# Altium PCB eBox_relay.PcbDoc
Units mm, origin at the board's own origin, x right, y up, seen from the top; angles counter-clockwise.
Board outline 75 x 89 mm, 2 copper layers (Top Layer, Bottom Layer), stack 1.58 mm thick; 37 components, 20 nets, 113 pads, 29 vias.
Unrouted connection lines stored in the file: 2.
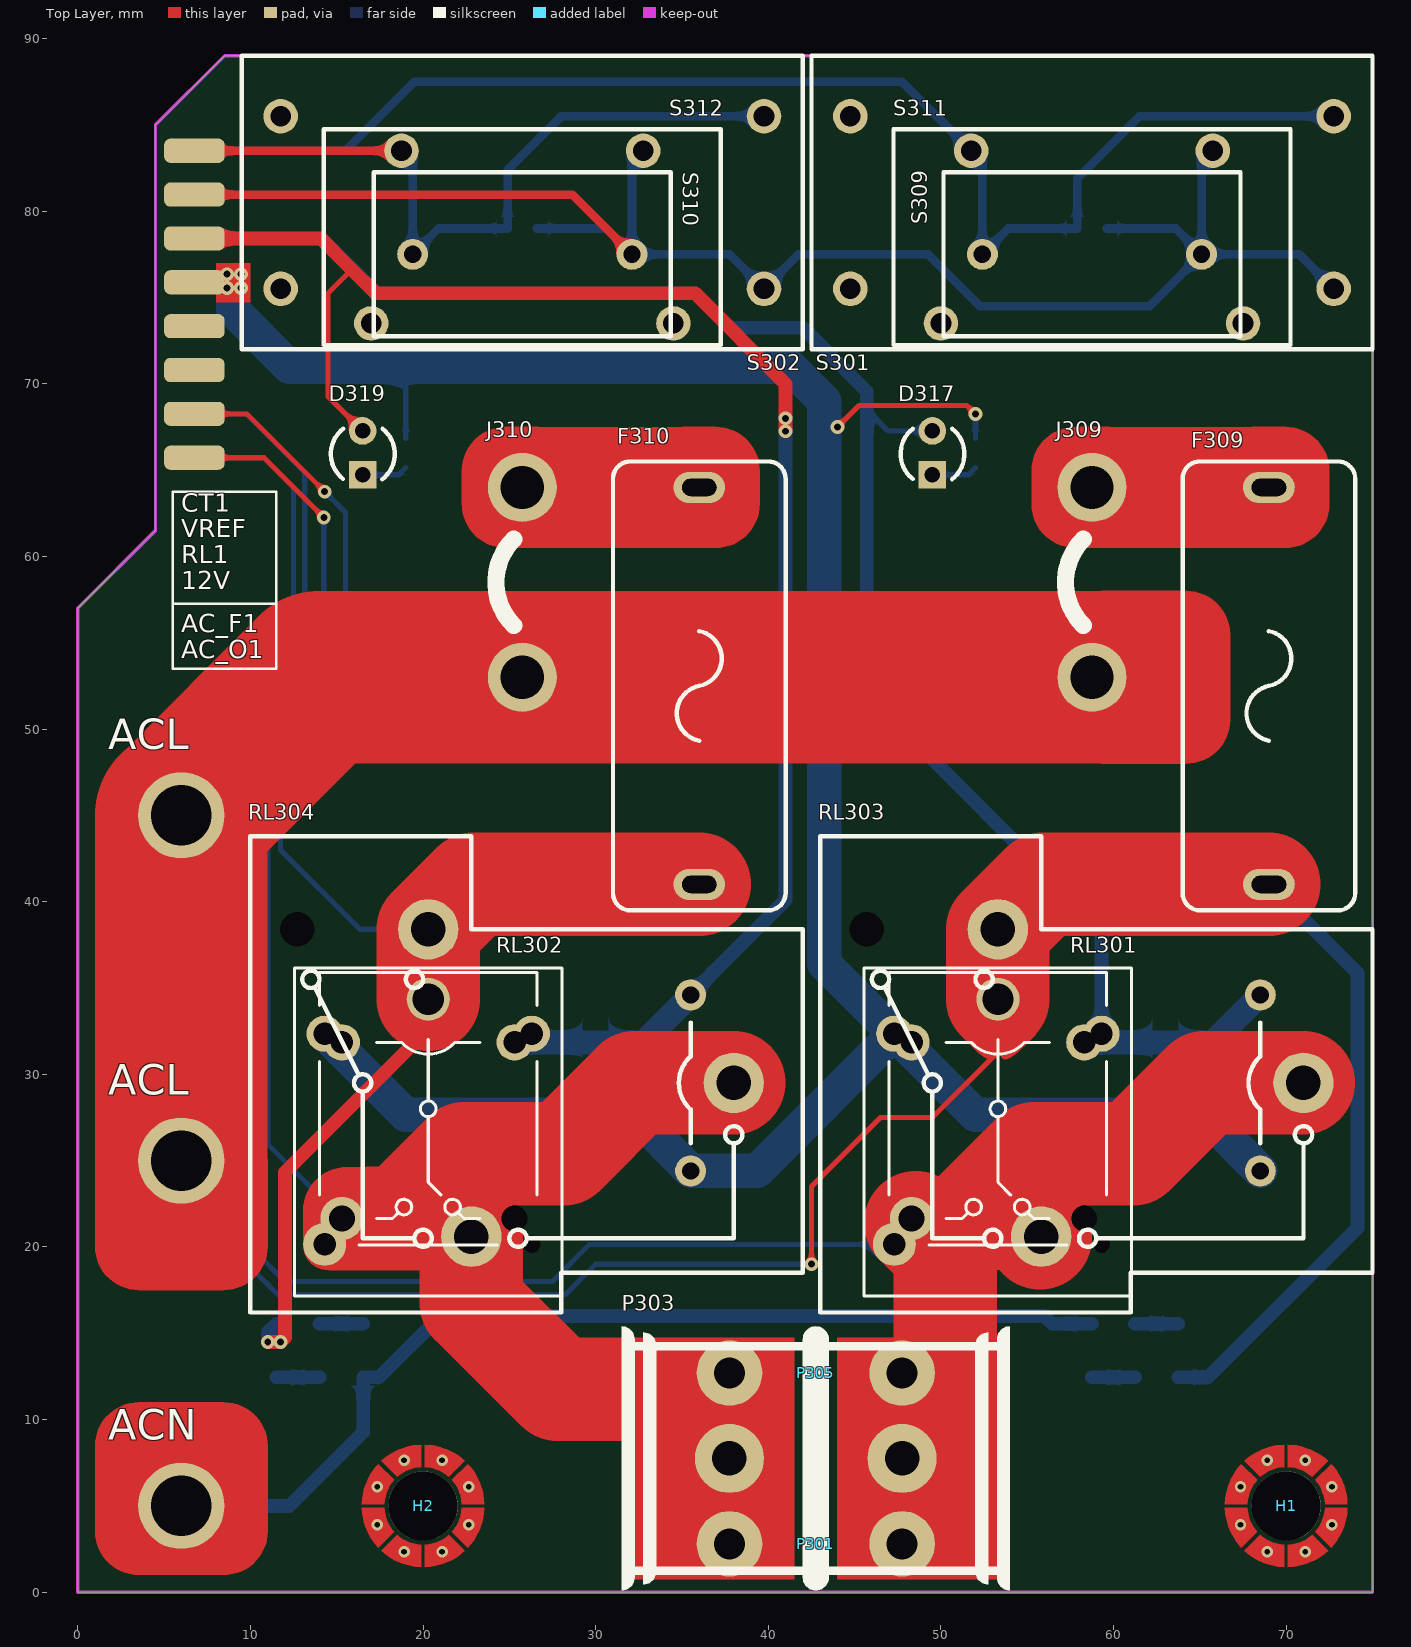
[diagram p0: Top Layer view]
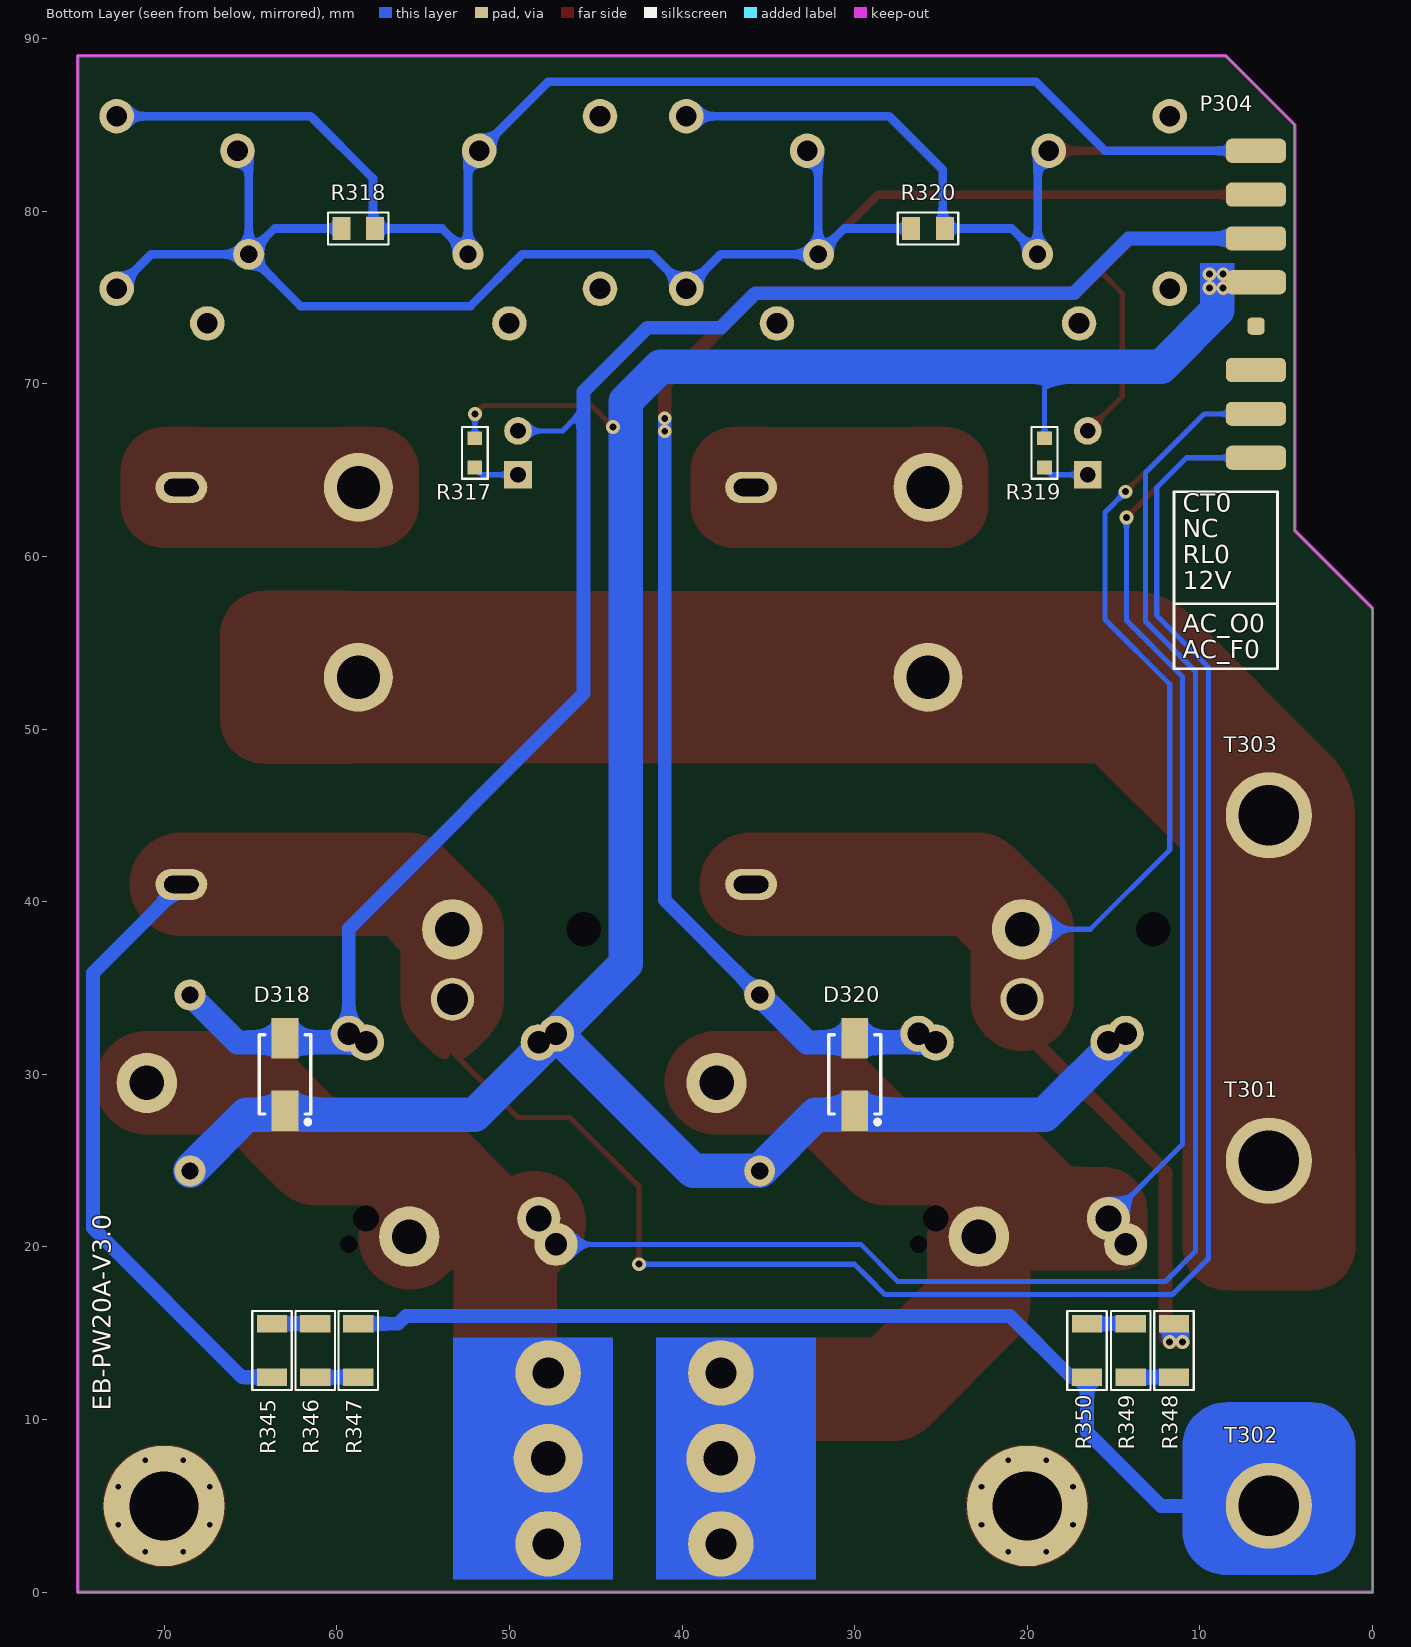
[diagram p1: Bottom Layer view, seen from below]

## Layer stack, top to bottom
Top Solder: solder mask 0.0102, Solder Resist, Dk 3.5
Top Layer: signal copper 0.0356
Dielectric 1: dielectric 1.5086, FR-4, Dk 4.8
Bottom Layer: signal copper 0.0356
Bottom Solder: solder mask 0.0102, Solder Resist, Dk 3.5

## Board outline
0,0 0,57 4.5,61.5 4.5,85 8.5,89 75,89 75,0

## Design rules (kind name [scope] priority, off if disabled: settings)
Clearance Clearance_3 [InComponent('H*')] p1: gap=0 ignorepadtopadclearanceinfootprint=FALSE
Clearance Clearance_2 [InNet('ACL*') OR InNet('ACN*')] p2: gap=0.35 ignorepadtopadclearanceinfootprint=FALSE except(0: Arc-Hole Track-Hole SMDPad-Hole THPad-Hole Via-Hole Fill-Hole Poly-Hole Region-Hole Text-Hole)
Clearance Clearance_1 [InPolygon] p3: gap=0.5 ignorepadtopadclearanceinfootprint=FALSE except(0: Arc-Hole Track-Hole SMDPad-Hole THPad-Hole Via-Hole Fill-Hole Poly-Hole Region-Hole Text-Hole)
Clearance [All] p4: gap=0.3 ignorepadtopadclearanceinfootprint=FALSE except(0: Arc-Hole Track-Hole SMDPad-Hole THPad-Hole Via-Hole Fill-Hole Poly-Hole Region-Hole Text-Hole)
ComponentClearance ComponentClearance_1 [InComponent('P301') OR InComponent('P305') OR InComponent('S309') OR InComponent('S310') OR InComponent('H*') OR InComponent('S312') OR InComponent('S311') OR InComponent('P302') OR InComponent('RL301') OR InComponent('RL302')] p1: gap=0 collisioncheckmode=3 verticalgap=0 showdistances=FALSE
ComponentClearance [All] p2: gap=0.254 collisioncheckmode=3 verticalgap=0.254 showdistances=FALSE
Height [All] p1: minheight=0 maxheight=100 prefheight=12.7
PolygonConnect PolygonConnect_1 [IsVia] p1: connectstyle=Direct reliefconductorwidth=0.254 reliefentries=4 polygonreliefangle="90 Angle" airgapwidth=0.254
PolygonConnect PolygonConnect_2 [InNet('GND')] p2: connectstyle=Relief reliefconductorwidth=0.3 reliefentries=4 polygonreliefangle="90 Angle" airgapwidth=0.3
PolygonConnect [All] p3: connectstyle=Relief reliefconductorwidth=0.381 reliefentries=4 polygonreliefangle="90 Angle" airgapwidth=0.635
RoutingVias [All] p1: holewidth=0.4 width=0.8 viastyle="Through Hole" minholewidth=0.3 minwidth=0.6 maxholewidth=2 maxwidth=5
SolderMaskExpansion [All] p1: expansion=0.102 istentingtop=FALSE
Width [All] p1: maxlimit=50 minlimit=0.2 preferedwidth=0.3
28 further rules are at their usual default settings.

## Components (designator, comment, footprint, x,y, rotation, side; value= is the part's Value field where it differs from the comment)
D317 "Led" "LED 3MM - green" 49.5,66 r90 top
D318 "SS14" "DO-214AC (SMA) L" 63,30 r270 bottom
D319 "Led" "LED 3MM - green" 16.5,66 r90 top
D320 "SS14" "DO-214AC (SMA) L" 30,30 r270 bottom
F309 "Fuse" "FUSE 2 DIP 0520 BOX" 69,52.5 r90 top
F310 "Fuse" "FUSE 2 DIP 0520 BOX" 36,52.5 r90 top
H1 "Screw Hole" SCREW/3.2/7.0/M 70,5 r0 top
H2 "Screw Hole" SCREW/3.2/7.0/M 20,5 r0 top
J309 "JUMP 2 CUSTOM" JUMP/2/Custom 58.75,57 r270 top
J310 "JUMP 2 CUSTOM" JUMP/2/Custom 25.75,57 r270 top
P301 "Header 2" HDR/TERMINAL/2/KF1000 42.75,7.75 r180 top
P303 "Header 2" HDR/Terminal/2/KF55C-10 42.75,7.75 r180 top
P304 "Header 8X2" HDR/HEADER/16/DL/EDGE 6.75,74.61 r270 bottom locked
P305 "Header 2" HDR/Terminal/2/KF1000 42.75,7.75 r0 top
R317 "4.7K" "R 0603" 52,66 r270 bottom
R318 "100R" "R 0805" 58.75,79 r0 bottom
R319 "4.7K" "R 0603" 19,66 r270 bottom
R320 "100R" "R 0805" 25.75,79 r0 bottom
R345 "100K" "R 1206" 63.75,14 r90 bottom
R346 "100K" "R 1206" 61.25,14 r270 bottom
R347 "100K" "R 1206" 58.75,14 r90 bottom
R348 "100K" "R 1206" 11.5,14 r270 bottom
R349 "100K" "R 1206" 14,14 r90 bottom
R350 "100K" "R 1206" 16.536,14 r270 bottom
RL301 "Relay SPDT" RL_SPDT_MIX 53.3,28 r270 top
RL302 "Relay SPDT" RL_SPDT_MIX 20.3,28 r270 top
RL303 "SLA-xxVDC-SL-C" RL_SPDT_30A 75,29.5 r90 top locked
RL304 "SLA-xxVDC-SL-C" RL_SPDT_30A 42,29.5 r90 top locked
S301 "TA20-100" TA20-100 58.75,80.5 r0 top
S302 "TA20-100" TA20-100 25.75,80.5 r0 top locked
S309 "TA12-200" TA12 58.75,77.5 r180 top
S310 "NA" TA12 25.75,77.5 r180 top
S311 "TA17" TA17 58.75,78.5 r180 top
S312 "TA17" TA17 25.75,78.5 r180 top locked
T301 "R1.25-3.5S" R1.25-3.5S 6,25 r180 bottom
T302 "R1.25-3.5S" R1.25-3.5S 6,5 r180 bottom
T303 "R1.25-3.5S" R1.25-3.5S 6,45 r180 bottom

## Footprints (in the part's own frame and the unit in brackets; to place one, negate y for a bottom-side part, rotate by r counter-clockwise, add the part's x,y. Pads: shape width x height; smd on the part's side, far side on the other; paste and mask are expansions set on the pad)
"DO-214AC (SMA) L" [mm] "Molded Diode, 2-Leads, Body 4.3x2.7mm, IPC Medium Density"
  rect 2.35x1.55 smd: 1(-2.1,0) 2(2.1,0)
  silkscreen extent -2.3,-1.5 2.89,1.5, body extent -2.6,-1.3 2.6,1.3, height 2.4
"FUSE 2 DIP 0520 BOX" [mm] "5mm x 20mm"
  oval 1.8x3 hole 1 slot 2 at 90 deg: 1(-11.5,0) 2(11.5,0)
  silkscreen extent -13,-5 13,5, body extent -12.15,-4.8 12.15,4.8, height 10.75
HDR/HEADER/16/DL/EDGE [mm]
  rrect50% 1.4x3.5 smd: 1(-8.89,0) 3(-6.35,0) 5(-3.81,0) 7(-1.27,0) 11(3.81,0) 13(6.35,0) 15(8.89,0)
  rrect50% 1.4x3.5 smd far side: 2(-8.89,0) 4(-6.35,0) 6(-3.81,0) 8(-1.27,0) 10(1.27,0) 12(3.81,0) 14(6.35,0) 16(8.89,0)
  rrect50% 1x1 smd: 9(1.27,0)
  body extent -10.16,-0.13 10.16,10.79, height 1.57
HDR/Terminal/2/KF55C-10 [mm]
  round 4 hole 2: 1(-5,0) 2(5,0)
  silkscreen extent -11.25,-7.65 11.25,7.65, body extent -11,-7.75 11,7.75, height 18.14
HDR/TERMINAL/2/KF1000 [mm]
  round 3.8 hole 1.8: 1(-5,4.95) 2(5,4.95)
  silkscreen extent -10,-7.3 10,7.3, body extent -10,-7.25 10.5,7.25, height 14.56
HDR/Terminal/2/KF1000 [mm]
  round 3.8 hole 1.8: 1(-5,4.95) 2(5,4.95)
  silkscreen extent -10,-7.3 10,7.3, body extent -10,-7.25 10.5,7.25, height 14.56
JUMP/2/Custom [mm]
  round 4 hole 2.5: 1(-7,0) 2(4,0)
  silkscreen extent -4,-1.53 1,-0.5
"LED 3MM - green" [mm]
  rect 1.6x1.6 hole 0.9: 1(-1.27,0)
  round 1.6 hole 0.9: 2(1.27,0)
  silkscreen extent -1.52,-1.86 1.4,1.84, body extent -1.66,-1.65 1.64,1.64, height 5.26
R1.25-3.5S [mm]
  round 5 hole 3.5: 1(0,0)
  body extent -1.7,-2.85 1.7,2.85, height 7.4
"R 0603" [mm] "Chip Resistor, 2-Leads, Body 1.6x0.8mm, IPC Medium Density"
  rect 0.8x0.85 smd: 1(-0.85,0) 2(0.85,0)
  silkscreen extent -1.5,-0.75 1.5,0.75, body extent -0.8,-0.4 0.8,0.4, height 0.5
"R 0805" [mm] "Chip Resistor, 2-Leads, Body 2.0x1.3mm, IPC Medium Density"
  rect 1.05x1.35 smd: 1(-0.975,0) 2(0.975,0)
  silkscreen extent -1.75,-0.92 1.75,0.92, body extent -1,-0.61 1,0.59, height 0.5
"R 1206" [mm] "Chip Resistor, 2-Leads, Body 3.1x1.6mm, IPC Medium Density"
  rect 1x1.75 smd: 1(-1.55,0) 2(1.55,0)
  silkscreen extent -2.29,-1.14 2.29,1.14, body extent -1.6,-0.8 1.6,0.8, height 0.6
RL_SPDT_30A [mm] "Relay SPDT, 5 pin, 10A,W 650mil, L 800mil, H 800mil"
  round 1.8 hole 1: 1(5.1,6.5) 5(-5.1,6.5)
  round 3.5 hole 2: 2(8.9,21.7) 4(-8.9,19.2) 6(0,4)
  round 0 hole 2 unplated: 3(8.9,29.3)
  silkscreen extent -13.3,0 14.3,32, body extent -13.5,0 13.5,32, height 20.06
RL_SPDT_MIX [mm]
  round 2.5 hole 1.8: 1(-6.35,0)
  round 2.5 hole 1.5: 2(6.35,-5)
  round 2.5 hole 1.3: 2(7.85,-6)
  round 0 hole 1.5 unplated: 3(6.35,5)
  round 0 hole 1 unplated: 3(7.85,6)
  round 2.1 hole 1.3: 4(-4.35,-6) 4(-3.85,-5) 5(-4.35,6) 5(-3.85,5)
  silkscreen extent -8.15,-7.75 10.85,7.75, body extent -8.15,-7.75 10.85,7.75, height 15.4
SCREW/3.2/7.0/M [mm]
  round 4 / inner round 7 / far side round 7 hole 4: 1(0,0)
  Top Layer pour cut-out: -4,0 -3.696,1.531 -2.828,2.828 -1.531,3.695 0,4 0,4 1.531,3.695 2.828,2.828 3.695,1.531 4,0 4,0 3.696,-1.531 2.828,-2.828 1.531,-3.696 0,-4 0,-4 -1.531,-3.696 -2.828,-2.828 -3.696,-1.531 -4,0
  Top Layer region: -2.25,0.1 -2.225,0.325 -2.175,0.575 -2.1,0.8 -2.025,0.975 -1.95,1.125 -1.875,1.25 -1.775,1.375 -1.675,1.5 -2.6,2.425 -2.775,2.225 -2.925,2.025 -3.05,1.825 -3.175,1.6 -3.275,1.375 -3.35,1.175 -3.425,0.95 -3.475,0.725 -3.5,0.6 -3.525,0.45 -3.55,0.1
  Top Layer region: -2.25,-0.1 -2.225,-0.325 -2.175,-0.575 -2.1,-0.8 -2.025,-0.975 -1.95,-1.125 -1.875,-1.25 -1.775,-1.375 -1.675,-1.5 -2.6,-2.425 -2.775,-2.225 -2.925,-2.025 -3.05,-1.825 -3.175,-1.6 -3.275,-1.375 -3.35,-1.175 -3.425,-0.95 -3.475,-0.725 -3.5,-0.6 -3.525,-0.45 -3.55,-0.1
  Top Layer region: -0.1,2.25 -0.325,2.225 -0.575,2.175 -0.8,2.1 -0.975,2.025 -1.125,1.95 -1.25,1.875 -1.375,1.775 -1.5,1.675 -2.425,2.6 -2.225,2.775 -2.025,2.925 -1.825,3.05 -1.6,3.175 -1.375,3.275 -1.175,3.35 -0.95,3.425 -0.725,3.475 -0.6,3.5 -0.45,3.525 -0.1,3.55
  Top Layer region: 0.1,2.25 0.325,2.225 0.575,2.175 0.8,2.1 0.975,2.025 1.125,1.95 1.25,1.875 1.375,1.775 1.5,1.675 2.425,2.6 2.225,2.775 2.025,2.925 1.825,3.05 1.6,3.175 1.375,3.275 1.175,3.35 0.95,3.425 0.725,3.475 0.6,3.5 0.45,3.525 0.1,3.55
  Top Layer region: 2.25,-0.1 2.225,-0.325 2.175,-0.575 2.1,-0.8 2.025,-0.975 1.95,-1.125 1.875,-1.25 1.775,-1.375 1.675,-1.5 2.6,-2.425 2.775,-2.225 2.925,-2.025 3.05,-1.825 3.175,-1.6 3.275,-1.375 3.35,-1.175 3.425,-0.95 3.475,-0.725 3.5,-0.6 3.525,-0.45 3.55,-0.1
  Top Layer region: 2.25,0.1 2.225,0.325 2.175,0.575 2.1,0.8 2.025,0.975 1.95,1.125 1.875,1.25 1.775,1.375 1.675,1.5 2.6,2.425 2.775,2.225 2.925,2.025 3.05,1.825 3.175,1.6 3.275,1.375 3.35,1.175 3.425,0.95 3.475,0.725 3.5,0.6 3.525,0.45 3.55,0.1
  Top Layer region: 0.1,-2.25 0.325,-2.225 0.575,-2.175 0.8,-2.1 0.975,-2.025 1.125,-1.95 1.25,-1.875 1.375,-1.775 1.5,-1.675 2.425,-2.6 2.225,-2.775 2.025,-2.925 1.825,-3.05 1.6,-3.175 1.375,-3.275 1.175,-3.35 0.95,-3.425 0.725,-3.475 0.6,-3.5 0.45,-3.525 0.1,-3.55
  Top Layer region: -0.1,-2.25 -0.325,-2.225 -0.575,-2.175 -0.8,-2.1 -0.975,-2.025 -1.125,-1.95 -1.25,-1.875 -1.375,-1.775 -1.5,-1.675 -2.425,-2.6 -2.225,-2.775 -2.025,-2.925 -1.825,-3.05 -1.6,-3.175 -1.375,-3.275 -1.175,-3.35 -0.95,-3.425 -0.725,-3.475 -0.6,-3.5 -0.45,-3.525 -0.1,-3.55
  Bottom Layer pour cut-out: -4,0 -3.696,1.531 -2.828,2.828 -1.531,3.695 0,4 0,4 1.531,3.695 2.828,2.828 3.695,1.531 4,0 4,0 3.696,-1.531 2.828,-2.828 1.531,-3.696 0,-4 0,-4 -1.531,-3.696 -2.828,-2.828 -3.696,-1.531 -4,0
TA12 [mm]
  round 1.8 hole 1: 1(-6.35,0) 2(6.35,0)
  silkscreen extent -8.6,-4.75 8.6,4.75, body extent -8.6,-4.75 8.6,4.75, height 20.4
TA17 [mm]
  round 2 hole 1.2: 1(-7,-5) 2(7,-5) 3(8.75,5) 4(-8.75,5)
  silkscreen extent -11.5,-6.25 11.5,6.25, body extent -11.5,-6.25 11.5,6.25, height 26
TA20-100 [mm]
  round 2 hole 1.2: 1(-14,5) 2(-14,-5) 3(14,-5) 4(14,5)
  silkscreen extent -16.25,-8.5 16.25,8.5, body extent -16.25,-8.5 16.25,8.5, height 32.5

## Part data
D317 D319: "LED GREEN DIFFUSED 3MM ROUND T/H", PACKAGE=SMD0805, STOCK CODE=HT17-2102SURC, STOCK DESC="SMD-0805 High Bright Red Chip LED", SUPPLIER=tme.vn, TYPE=SMD, UNIT PRICE=800
D318 D320: library part Diode, "DIODE SCHOTTKY 40V 1A SMA", PACKAGE=DO-214AC, BRAND=Toshiba, PART NO=SS14, STOCK CODE=SS14, STOCK DESC="1A 40V Schottky Barrier Diode", SUPPLIER=tme.vn, TYPE=SMD, UNIT PRICE=1000
P301 P303 P305: "Header, 2-Pin"
P304: "Header, 8-Pin, Dual row"
R317 R319: library part Resistor, "RES SMD 4.7K OHM 1% 1/10W 0805", PACKAGE=SMD0805, STOCK CODE=RM10JTN472, STOCK DESC="4.7K 5% SMD-0805 Resistor", SUPPLIER=tme.vn, TYPE=SMD, UNIT PRICE=60
R318 R320: library part Resistor, "RES SMD 100 OHM 1% 1/10W 0805", PACKAGE=SMD0805, STOCK CODE=RM10JTN681, STOCK DESC="680R 5% SMD-0805 Resistor", SUPPLIER=tme.vn, TYPE=SMD, UNIT PRICE=60
R345 R346 R347 R348 R349 R350: library part Resistor, "RES SMD 10K OHM 5% 1/4W 1206", PACKAGE=SMD1206, STOCK DESC="RES SMD 10K OHM 5% 1/4W 1206", SUPPLIER=banlinhkien.com, TYPE=SMD, UNIT PRICE=240
RL303 RL304: library part "Relay SPDT_SLA"
S309: library part TA12, "CURR SENSE 1:2000 5A T/H", BRAND=YHDC, PART NO=TA12-200, SUPPLIER=CHINA, TYPE=TH, UNIT PRICE=22328
S310: library part TA12, "CURR SENSE 1:2000 5A T/H", PART NO=TA12-200, BRAND=YHDC, SUPPLIER=CHINA, TYPE=TH, UNIT PRICE=22328
F309 F310: UNIT PRICE=0
H1 H2 J309 J310: TYPE=NO-BOM, UNIT PRICE=0

## Via types
v1: diameter 0.66, hole 0.33, Top Layer to Bottom Layer, tented both sides, 16 vias
v2: diameter 0.8, hole 0.4, Top Layer to Bottom Layer, tented both sides, 13 vias

## Nets (pads, with @x,y where several pads share a name; then routed paths per layer and width w, separated by ;. In a path a pad name is that pad's centre, name@x,y a point inside that pad or via, vN(x,y) a via of type N, cw(c..) or ccw(c..) an arc to the next point about the centre after c; other vN are vias at no path point)
12V: D318.2 D320.2 P304.7 P304.8 R317.1 R319.1 RL301.4 RL302.4 RL303.5 RL304.5 | length 155.4
  Top Layer w0.3: v2(44,67.5) 45.25,68.75 51.5,68.75 v2(52,68.25)
  Bottom Layer w0.3: 17.75,71 19,69.75 R319.1 ; R317.1 v2(52,68.25)
  Bottom Layer w2: 9,76 9,74.25 12.25,71 17.75,71 41.25,71 43.25,69 43.25,36.4 RL301.4@47.3,32.35 ; RL302.4@14.3,32.35 19,27.65 32.25,27.65 RL304.5 39.35,24.4 RL301.4@47.3,32.35 ; RL303.5 65.25,27.65 52,27.65 RL301.4@47.3,32.35
  other v2: 8.65,75.55 9.45,75.55 8.65,76.35 9.45,76.35
ACL: J309.2 J310.2 T301.1 T303.1 | length 76.1
  Top Layer w10: T301.1 T303.1 14,53 J310.2 J309.2
ACL_F0: F309.1 P304.15 R345.1 RL301.1 RL303.2 | length 165.4
  Top Layer w0.3: v2(42.5,19) 42.5,23.5 46.5,27.5 49.5,27.5 53.3,31.3 RL301.1
  Top Layer w6: RL301.1 RL303.2 55.9,41 F309.1
  Bottom Layer w0.3: P304.15 10.78,65.72 12.5,64 12.5,56.581 9.5,53.581 9.5,19.331 11.581,17.25 28.25,17.25 29.25,18.25 30,19 v2(42.5,19)
  Bottom Layer w0.8: R345.1 65.481,12.45 74.122,21.092 74.122,35.878 F309.1
ACL_F1: F310.1 P304.14 R348.1 RL302.1 RL304.2 | length 90.1
  Top Layer w0.3: P304.14 9.79,68.26 v2(14.3,63.75)
  Top Layer w0.8: v2(11,14.5) v2(11.75,14.5) 12,14.75 12,24.325 20.3,32.625 RL302.1
  Top Layer w6: RL302.1 RL304.2 22.9,41 F310.1
  Bottom Layer w0.3: v2(14.3,63.75) 15.5,62.55 15.5,56.35 11.75,52.6 11.75,43 16.35,38.4 RL304.2
  Bottom Layer w0.8: v2(11,14.5) 11,15.05 R348.1 11.75,15.3 v2(11.75,14.5)
ACL_OUT0: P301.1 P303.1 P304.13 P305.2 RL301.2 RL301.3 RL303.4 RL303.6 | length 131.9
  Top Layer w6: RL301.2@48.55,21.4 50.25,19.7 ; 50.25,12.7 50.25,19.7 ; RL303.4@55.737,20.537 54.623,21.65 51.65,21.65 ; RL303.6 65.25,29.5 61.15,25.4 55.4,25.4 51.65,21.65 ; 50.25,19.7 50.25,20.25 51.65,21.65
  Bottom Layer w0.3: P304.13 9.74,68.26 13.15,64.85 13.15,56.231 10.25,53.331 10.25,19.75 12,18 27.5,18 29.65,20.15 RL301.2@47.3,20.15
ACL_OUT1: P301.2 P303.2 P304.16 P305.1 RL302.2 RL302.3 RL304.4 RL304.6 | length 107.1
  Top Layer w0.3: P304.16 10.78,65.72 v2(14.25,62.25)
  Top Layer w6: 17,21.65 21.623,21.65 RL304.4@22.737,20.537 ; 18.65,21.65 22.4,25.4 28.15,25.4 32.25,29.5 ; RL304.4 22.8,16.75 27.8,11.75 P305.1@36.8,11.75 ; 32.25,29.5 RL304.6 32.25,29.5
  Bottom Layer w0.3: v2(14.25,62.25) 14.25,56.28 11,53.03 11,25.95 RL302.2@15.3,21.65
ACN: R347.2 R350.2 T302.1 | length 59.3
  Bottom Layer w0.8: T302.1 12.25,5 16.536,9.286 R350.2 17.45,12.45 21,16 56,16 56.45,15.55 R347.2
CT0: P304.1 R318.1 S301.4 S309.2 S311.2 | length 79.9
  Bottom Layer w0.5: P304.1 15.5,83.5 19.5,87.5 47.75,87.5 S311.2 52.4,82.85 S309.2 53.9,79 57.9,79 57.9,81.9 61.5,85.5 S301.4
CT1: P304.2 R320.1 S302.4 S310.2 S312.2 | length 43.9
  Top Layer w0.5: P304.2 S312.2
  Bottom Layer w0.5: S312.2 19.4,82.85 S310.2 20.9,79 24.9,79 24.9,82.4 28,85.5 S302.4
NetD317_1: D317.1 R317.2 | length 2.7
  Bottom Layer w0.3: D317.1 51.58,64.73 R317.2
NetD319_1: D319.1 R319.2 | length 2.7
  Bottom Layer w0.3: D319.1 18.58,64.73 R319.2
NetF309_2: F309.2 J309.1 | length 10.2
  Top Layer w7: J309.1 F309.2
NetF310_2: F310.2 J310.1 | length 10.2
  Top Layer w7: J310.1 F310.2
NetR345_2: R345.2 R346.1 | length 2.5
  Bottom Layer w0.8: R346.1 R345.2
NetR346_2: R346.2 R347.1 | length 2.5
  Bottom Layer w0.8: R347.1 R346.2
NetR348_2: R348.2 R349.1 | length 2.5
  Bottom Layer w0.8: R348.2 R349.1
NetR349_2: R349.2 R350.1 | length 2.5
  Bottom Layer w0.8: R349.2 R350.1
RL0: D317.2 D318.1 P304.5 RL301.5 RL303.1 | length 101.1
  Bottom Layer w0.3: 45.7,68.5 46.93,67.27 D317.2
  Bottom Layer w0.8: P304.5 14.13,78.42 17.3,75.25 35.75,75.25 37.75,73.25 42,73.25 45.7,69.55 45.7,68.5 45.7,52.05 59.3,38.45 RL301.5@59.3,32.35
  Bottom Layer w1.4: RL301.5@58.3,31.85 65.75,31.85 RL303.1
RL1: D319.2 D320.1 P304.6 RL302.5 RL304.1 | length 99.1
  Top Layer w0.3: 15.75,76.75 15.75,76.5 14.5,75.25 14.5,69.27 D319.2
  Top Layer w0.8: P304.6 14.08,78.42 15.75,76.75 17.25,75.25 35.75,75.25 41,70 v2(41,68) v2(41,67.25)
  Bottom Layer w0.8: RL304.1 41,40.1 v2(41,68) v2(41,67.25)
  Bottom Layer w1.4: RL302.5@25.3,31.85 32.75,31.85 RL304.1
V_REF: P304.4 R318.2 R320.2 S301.3 S302.3 S309.1 S310.1 S311.1 S312.1 | length 97.2
  Top Layer w0.5: P304.4 28.64,80.96 S310.1
  Bottom Layer w0.5: R320.2@26.6,79 30.6,79 S310.1 ; S312.1 32.1,82.85 S310.1 ; R318.2@59.6,79 63.6,79 S309.1 ; S311.1 65.1,82.85 S309.1 ; S301.3 70.75,77.5 S309.1 ; S310.1 37.75,77.5 S302.3 41.75,77.5 49.25,77.5 52.25,74.5 62.1,74.5 S309.1
pads on no net: H1.1 H2.1 P304.3 P304.9 P304.10 P304.11 P304.12 RL303.3 RL304.3 S301.1 S301.2 S302.1 S302.2 S311.3 S311.4 S312.3 S312.4
copper on no net:
  other v1: 18.9,2.35 21.1,2.35 68.9,2.35 71.1,2.35 17.35,3.9 22.65,3.9 67.35,3.9 72.65,3.9 17.35,6.1 22.65,6.1 67.35,6.1 72.65,6.1 18.9,7.65 21.1,7.65 68.9,7.65 71.1,7.65

## Keep-outs
Keep-Out Layer:
  the board outline again, w0.2

## Other copper
Top Layer:
  rectangle net 12V: 8,74.7 10,77
  region net ACL_OUT1: 13.05,20.125 13.05,22.085 cw(c15.59,22.085) 15.59,24.625 19.51,24.625 cw(c19.51,22.085) 22.05,22.085 22.05,20.125 cw(c20.575,20.125) 20.575,18.65 14.525,18.65 cw(c14.525,20.125)
  region net NetF310_2: 22.25,64.96 cw(c24.79,64.96) 24.79,67.5 26.71,67.5 cw(c26.71,64.96) 29.25,64.96 29.25,63.04 cw(c26.71,63.04) 26.71,60.5 24.79,60.5 cw(c24.79,63.04) 22.25,63.04
  region net NetF310_2: 32.5,64.96 cw(c35.04,64.96) 35.04,67.5 36.96,67.5 cw(c36.96,64.96) 39.5,64.96 39.5,63.04 cw(c36.96,63.04) 36.96,60.5 35.04,60.5 cw(c35.04,63.04) 32.5,63.04
  region net NetF309_2: 65.5,64.96 cw(c68.04,64.96) 68.04,67.5 69.96,67.5 cw(c69.96,64.96) 72.5,64.96 72.5,63.04 cw(c69.96,63.04) 69.96,60.5 68.04,60.5 cw(c68.04,63.04) 65.5,63.04
  region net NetF309_2: 55.25,64.96 cw(c57.79,64.96) 57.79,67.5 59.71,67.5 cw(c59.71,64.96) 62.25,64.96 62.25,63.04 cw(c59.71,63.04) 59.71,60.5 57.79,60.5 cw(c57.79,63.04) 55.25,63.04
  region net ACL: 56.75,55.46 cw(c59.29,55.46) 59.29,58 64.21,58 cw(c64.21,55.46) 66.75,55.46 66.75,50.54 cw(c64.21,50.54) 64.21,48 59.29,48 cw(c59.29,50.54) 56.75,50.54
  region net ACL: 1,24.96 cw(c3.54,24.96) 3.54,27.5 8.46,27.5 cw(c8.46,24.96) 11,24.96 11,20.04 cw(c8.46,20.04) 8.46,17.5 3.54,17.5 cw(c3.54,20.04) 1,20.04
  region net ACN: 1,8.46 cw(c3.54,8.46) 3.54,11 8.46,11 cw(c8.46,8.46) 11,8.46 11,3.54 cw(c8.46,3.54) 8.46,1 3.54,1 cw(c3.54,3.54) 1,3.54
  region net ACL_OUT1: 41.5,14.75 32.25,14.75 32.25,0.75 41.5,0.75
  region net ACL_OUT0: 44,14.75 53.25,14.75 53.25,0.75 44,0.75
Bottom Layer:
  rectangle net 12V: 8,74.7 10,77
  region net ACN: 1,8.46 cw(c3.54,8.46) 3.54,11 8.46,11 cw(c8.46,8.46) 11,8.46 11,3.54 cw(c8.46,3.54) 8.46,1 3.54,1 cw(c3.54,3.54) 1,3.54
  region net ACL_OUT0: 44,14.75 53.25,14.75 53.25,0.75 44,0.75
  region net ACL_OUT1: 41.5,14.75 32.25,14.75 32.25,0.75 41.5,0.75

## Silkscreen, mask and mechanical layers (free items; w line width, h text height)
Top Overlay:
  lines w0.154: 5.5,57.25 11.5,57.25 ; 5.5,53.5 5.5,63.75 11.5,63.75 11.5,53.5 5.5,53.5
  text "CT1" at 6,62.25 h1.8
  text "VREF" at 6,60.75 h1.8
  text "RL1" at 6,59.25 h1.8
  text "12V" at 6,57.75 h1.8
  text "AC_F1" at 6,55.25 h1.8
  text "AC_O1" at 6,53.75 h1.8
  text "ACL" at 1.75,48.25 h3
  text "ACL" at 1.75,28.25 h3
  text "ACN" at 1.75,8.25 h3
Bottom Overlay:
  lines w0.154: 5.5,57.25 11.5,57.25 ; 5.5,53.5 11.5,53.5 11.5,63.75 5.5,63.75 5.5,53.5
  text "CT0" at 11,62.25 h1.8
  text "NC" at 11,60.75 h1.8
  text "RL0" at 11,59.25 h1.8
  text "12V" at 11,57.75 h1.8
  text "AC_O0" at 11,55.25 h1.8
  text "AC_F0" at 11,53.75 h1.8
  text "EB-PW20A-V3.0" at 72.75,10.5 h1.8 r270

## Dimensions
75,0 to 75,89 on Mechanical 16
0,0 to 75,0 on Mechanical 16